# Altium PCB test.PcbDoc
Units mil, origin at the board's own origin, x right, y up, seen from the top; angles counter-clockwise.
Board outline 6250 x 3150 mil, 2 copper layers (Top Layer, Bottom Layer); 76 components, 74 nets, 285 pads, 42 vias.
Unrouted connection lines stored in the file: 2.
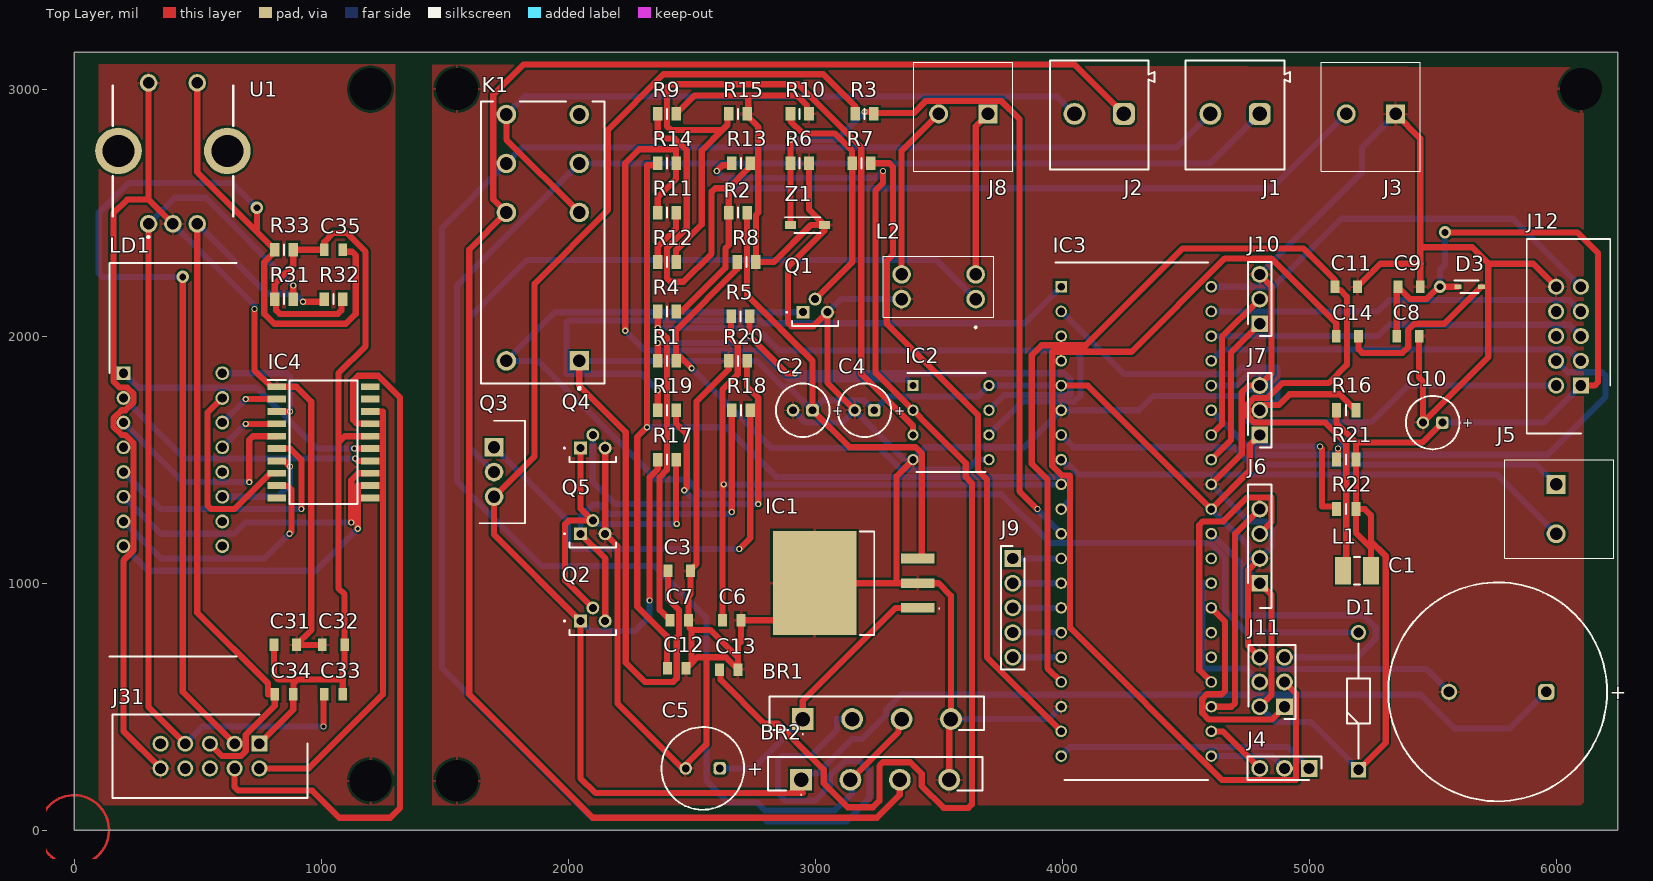
[diagram p0: Top Layer view]
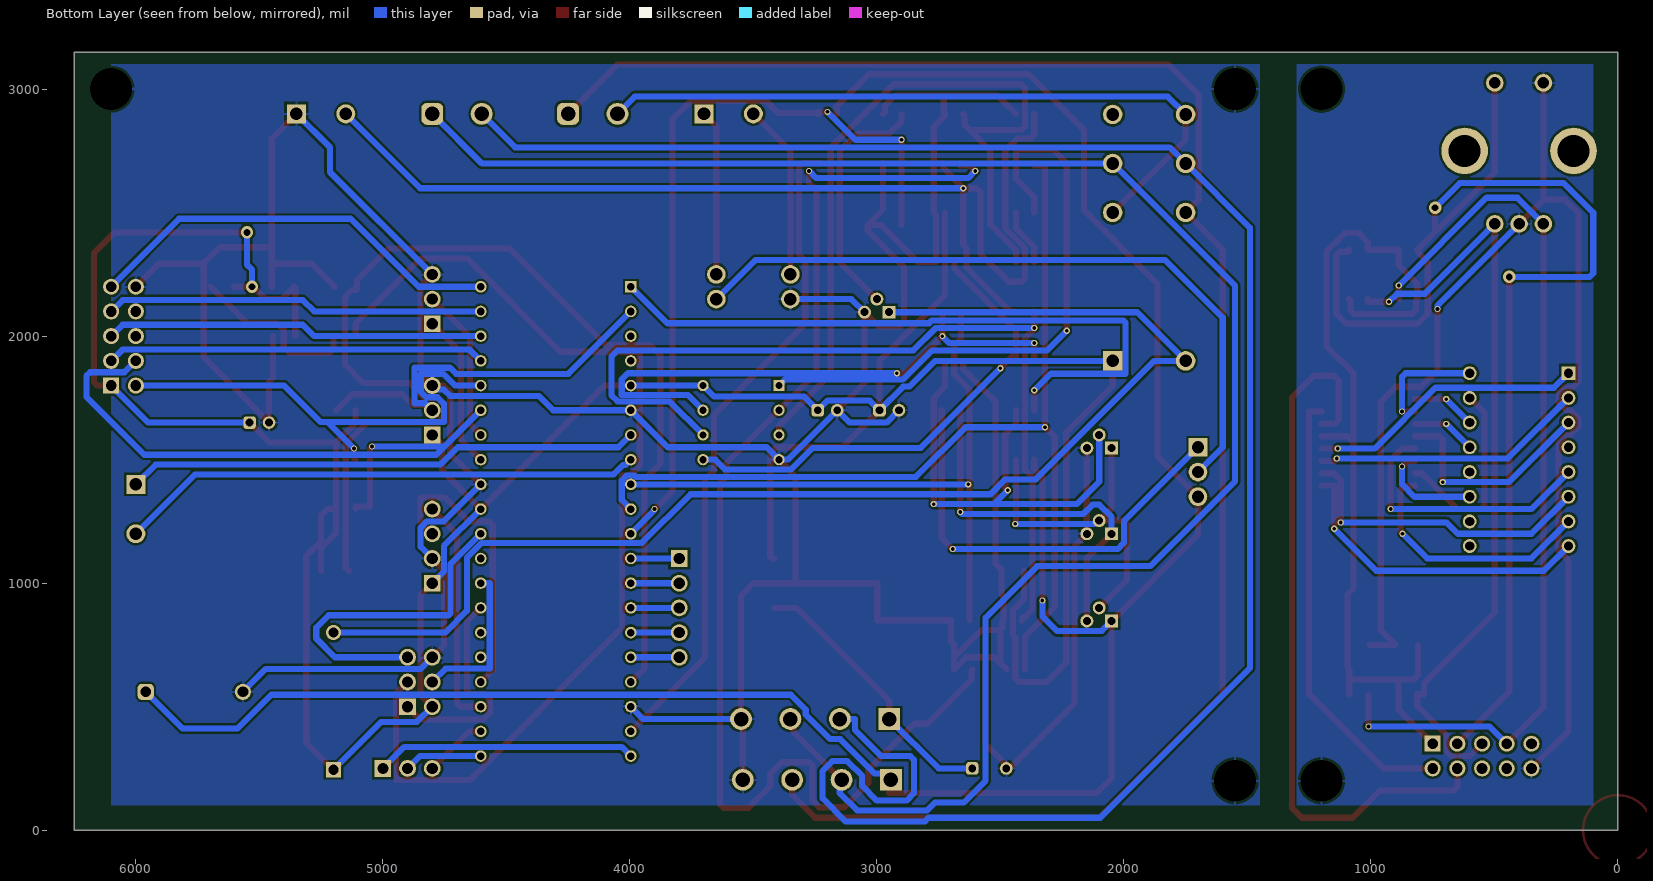
[diagram p1: Bottom Layer view, seen from below]
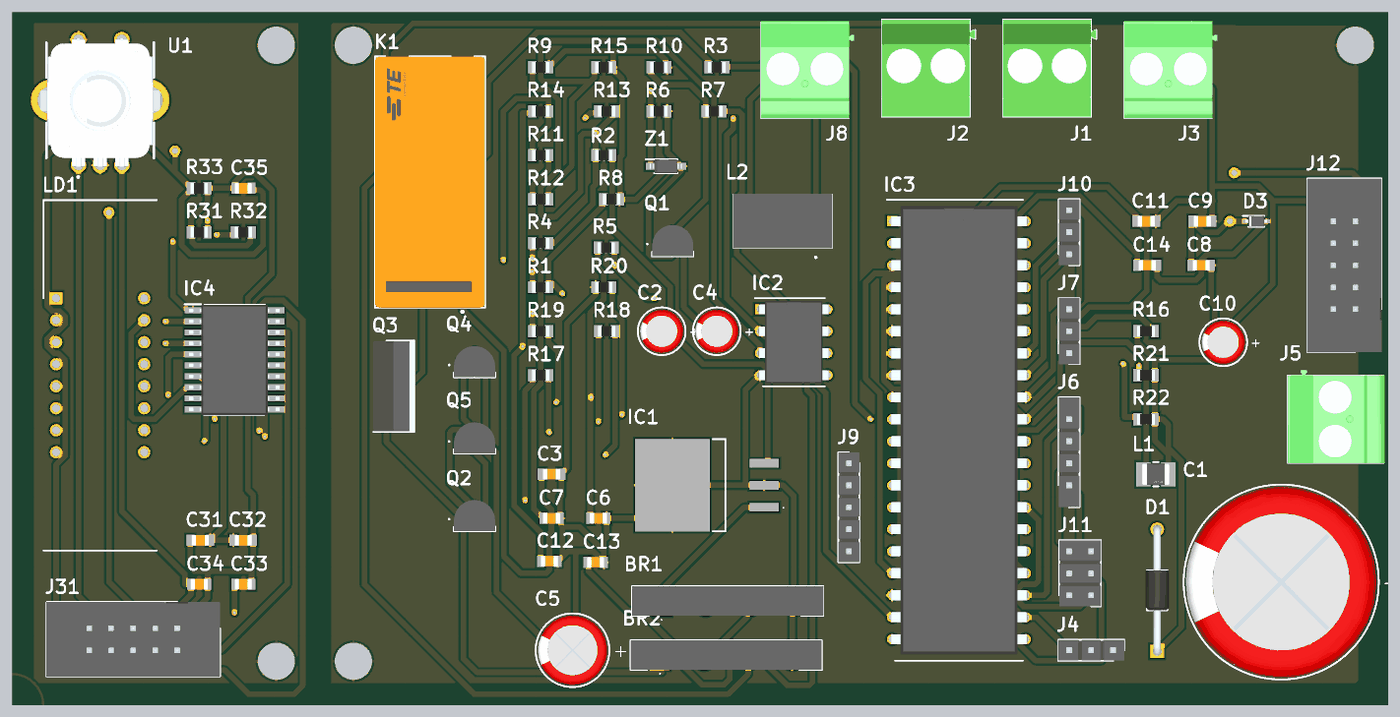
[diagram p2: 3D render of the assembled board from above, using the file's embedded part models]

## Layer stack, top to bottom
Top Solder: solder mask 0.4, Solder Resist, Dk 3.5
Top Layer: signal copper 1.4
Dielectric 1: dielectric 12.6, FR-4, Dk 4.8
Bottom Layer: signal copper 1.4
Bottom Solder: solder mask 0.4, Solder Resist, Dk 3.5

## Board outline
0,0 6250,0 6250,3150 0,3150
board region "Default Layer Stack Region": 1400,0 0,0 0,3150 1400,3150
board region "Default Layer Stack Region": 1400,3150 6250,3150 6250,0 1400,0

## Design rules (kind name [scope] priority, off if disabled: settings)
Clearance Clearance_10 [InNamedPolygon('GND_L01_P003')] p1: gap=10 ignorepadtopadclearanceinfootprint=FALSE except(0: Arc-Hole Track-Hole SMDPad-Hole THPad-Hole Via-Hole Fill-Hole Poly-Hole Region-Hole Text-Hole)
Clearance Clearance_9 [InNamedPolygon('GND_L01_P000')] p2: gap=10 ignorepadtopadclearanceinfootprint=FALSE except(0: Arc-Hole Track-Hole SMDPad-Hole THPad-Hole Via-Hole Fill-Hole Poly-Hole Region-Hole Text-Hole)
Clearance Clearance_8 [InNamedPolygon('GND_L01_P000')] p3: gap=10 ignorepadtopadclearanceinfootprint=FALSE except(0: Arc-Hole Track-Hole SMDPad-Hole THPad-Hole Via-Hole Fill-Hole Poly-Hole Region-Hole Text-Hole)
Clearance Clearance_7 [InNamedPolygon('GND_L02_P002')] p4: gap=10 ignorepadtopadclearanceinfootprint=FALSE except(0: Arc-Hole Track-Hole SMDPad-Hole THPad-Hole Via-Hole Fill-Hole Poly-Hole Region-Hole Text-Hole)
Clearance Clearance_6 [InNamedPolygon('GND_L02_P001')] p5: gap=10 ignorepadtopadclearanceinfootprint=FALSE except(0: Arc-Hole Track-Hole SMDPad-Hole THPad-Hole Via-Hole Fill-Hole Poly-Hole Region-Hole Text-Hole)
Clearance Clearance_5 [InNamedPolygon('GND_L01_P000')] p6: gap=10 ignorepadtopadclearanceinfootprint=FALSE except(0: Arc-Hole Track-Hole SMDPad-Hole THPad-Hole Via-Hole Fill-Hole Poly-Hole Region-Hole Text-Hole)
Clearance Clearance_4 [InNamedPolygon('GND_L01_P000')] p7: gap=10 ignorepadtopadclearanceinfootprint=FALSE except(0: Arc-Hole Track-Hole SMDPad-Hole THPad-Hole Via-Hole Fill-Hole Poly-Hole Region-Hole Text-Hole)
Clearance Clearance_3 [InNamedPolygon('GND_L02_P002')] p8: gap=10 ignorepadtopadclearanceinfootprint=FALSE except(0: Arc-Hole Track-Hole SMDPad-Hole THPad-Hole Via-Hole Fill-Hole Poly-Hole Region-Hole Text-Hole)
Clearance Clearance_2 [InNamedPolygon('GND_L01_P000')] p9: gap=10 ignorepadtopadclearanceinfootprint=FALSE except(0: Arc-Hole Track-Hole SMDPad-Hole THPad-Hole Via-Hole Fill-Hole Poly-Hole Region-Hole Text-Hole)
Clearance Clearance_1 [InNamedPolygon('GND_L02_P002')] p10: gap=10 ignorepadtopadclearanceinfootprint=FALSE except(0: Arc-Hole Track-Hole SMDPad-Hole THPad-Hole Via-Hole Fill-Hole Poly-Hole Region-Hole Text-Hole)
Clearance [All] p11: gap=0.25 ignorepadtopadclearanceinfootprint=FALSE except(0: Arc-Hole Track-Hole SMDPad-Hole THPad-Hole Via-Hole Fill-Hole Poly-Hole Region-Hole Text-Hole)
HoleSize [All] p1: absolutevalues=TRUE maxlimit=393.7 minlimit=0.98 maxpercent=80.000 minpercent=20.000
PolygonConnect [All] p1: connectstyle=Relief reliefconductorwidth=10 reliefentries=4 polygonreliefangle="90 Angle" airgapwidth=10
RoutingVias [All] p1: holewidth=15 width=25 viastyle="Through Hole" minholewidth=15 minwidth=25 maxholewidth=15 maxwidth=25
SolderMaskExpansion [All] p1: expansion=4 istentingtop=FALSE
Width [All] p1: maxlimit=50 minlimit=25 preferedwidth=25 minimp=50.000000 maximp=50.000000 favimp=50.000000
29 further rules are at their usual default settings.

## Classes and differential pairs
component class Voeding: BR1 BR2 C1 C4 C5 D1 IC1 J1 J2 K1 Q1 R3 R6 R7 R10 Z1
component class Processor: C8 C9 C10 C11 C14 D3 IC3 J4 J5 J6 J7 J9 J10 J11 J12 L1 R16 R21 R22
component class Opamp: C2 C3 C6 C7 C12 C13 IC2 J3 R1 R2 R4 R5 R8 R9 R11 R12 R13 R14 R15
component class Display: C31 C32 C33 C34 C35 IC4 J31 LD1 R31 R32 R33 U1
component class BoutVoeding: J8 L2 Q2 Q3 Q4 Q5 R17 R18 R19 R20

## Components (designator, comment, footprint, x,y, rotation, side; value= is the part's Value field where it differs from the comment)
BR1 "GBU6J-E3_45" "Bridge rectifier" 2950,450 r180 top
BR2 "GBU6J-E3_45" "Bridge rectifier" 2942.89,204 r180 top
C1 "ESK478M050AQ3AA" "4700µF 50V" 5763.15,560 r0 top
C2 "EEU-FR1H100" "10µF 50V" 2950,1700 r0 top
C3 "C0805C104K5RAC7411" 100nF 2450,1050 r0 top
C4 "EEU-FR1H100" "10µF 50V" 3200,1700 r0 top
C5 "EEU-FR1H100" 100µF 2545,250 r0 top
C6 "C0805C103K5TACAUTO" 10nF 2662.6,850 r0 top
C7 "C0805C103K5TACAUTO" 10nF 2450,850 r0 top
C8 "C0805C104K5RAC7411" 100nF 5400,2000 r0 top
C9 "C0805C104K5RAC7411" 100nF 5404.72,2200 r0 top
C10 "EEU-FR1H100" "10µF 50V" 5500,1650 r0 top
C11 "C0805C104K5RAC7411" 100nF 5150,2200 r0 top
C12 "C0805C103K5TACAUTO" 10nF 2440,655 r0 top
C13 "C0805C103K5TACAUTO" 10nF 2650,650 r0 top
C14 "C0805C104K5RAC7411" 100nF 5154.72,2000 r0 top
C31 "C0805C104K5RAC7411" 100nF 854.72,750 r0 top
C32 "C0805C104K5RAC7411" 100nF 1050,750 r180 top
C33 "C0805C103K5TACAUTO" 10nF 1050,550 r180 top
C34 "C0805C103K5TACAUTO" 10nF 850,550 r180 top
C35 "C0805C103K5TACAUTO" 10nF 1050,2350 r0 top
D1 "1N4007G-T" D1 5200,244.88 r90 top
D3 "1N4148WS_R1_00001" SODFL2512X95N 5650,2200 r0 top
IC1 "TL780-05CKTTR" IC1 3150,1000 r90 top
IC2 "MCP6002-E_P" DIP781W56P254L950H533Q8N 3550,1650 r0 top
IC3 "ATMEGA4809-PF" DIP1543W58P254L5175H635Q40N 4300,1250 r0 top
IC4 "TM1637" DisplayIC 1010,1570 r0 top
J1 "1711725" Phoenix 4700,2896.06 r180 top
J2 "1711725" Phoenix 4150,2896.06 r180 top
J3 "1711725" 1711725 5350,2900 r180 top
J4 "10129378-903001BLF" HDRV3W67P0X254_1X3_762X241X858P 5000,250 r180 top
J5 "1711725" 1711725 6000,1400 r270 top (schematic designator 5)
J6 "10129378-904001BLF" HDRV4W67P0X254_1X4_1270X241X858P 4800,1000 r90 top
J7 "10129378-903001BLF" HDRV3W67P0X254_1X3_762X241X858P 4800,1600 r90 top
J8 "1711725" 1711725 3700,2900 r180 top
J9 "10129378-905001BLF" HDRV5W67P0X254_1X5_1270X241X858P 3800,1100 r270 top
J10 "10129378-903001BLF" HDRV3W67P0X254_1X3_762X241X858P 4800,2050 r90 top
J11 "10129381-906002BLF" HDRV6W67P254_2X3_762X483X858P 4900,500 r90 top
J12 "N2510-6002RB" 1PinBox 6100,1800 r90 top
J31 "N2510-6002RB" SHDR10W64P254_2X5_2002X859X991P 750,350 r180 top
K1 "RT424615" FP-RT424615-MFG 1897.64,2378.35 r90 top
L1 "CBC3225T100MR" FP-CB3225-IPC_A 5193.86,1050 r0 top
L2 "CM2545X171B-10" CM2545X171B10 3650,2150 r90 top
LD1 "TDCG1050M" Display 200,1850 r0 top
Q1 "BC547CBU" TTTT 2950,2096.85 r0 top
Q2 "BC547CBU" TTTT 2050,846.85 r0 top
Q3 "IRF9Z34NPBF" T2 1700,1550 r270 top
Q4 "BC547CBU" TTTT 2050,1546.85 r0 top
Q5 "BC557BTA" TTTT 2050,1200 r0 top
R1 "CRCW080510K0DHEAP" Resistor 2400,1900 r0 top
R2 "CR0805-JW-105ELF" Resistor 2687.4,2500 r0 top
R3 "CRCW080510K0DHEAP" Resistor 3200,2900 r0 top
R4 "CRCW08055K60FKTA" Resistor 2400,2100 r0 top
R5 "CRCW08055K60FKTA" Resistor 2697.4,2080 r0 top
R6 "CRCW080510K0DHEAP" Resistor 2937.4,2700 r0 top
R7 "CRCW080510K0DHEAP" Resistor 3187.4,2700 r0 top
R8 "CPF0805B18KE" Resistor 2722.6,2300 r0 top
R9 "CR0805-JW-105ELF" Resistor 2400,2900 r0 top
R10 "CRCW08054K70FKEAHP" Resistor 2937.4,2900 r0 top
R11 "CRCW080510K0DHEAP" Resistor 2400,2500 r0 top
R12 "CRCW080510K0DHEAP" Resistor 2400,2300 r0 top
R13 "CRCW08055K60FKTA" Resistor 2700,2700 r0 top
R14 "CRCW08055K60FKTA" Resistor 2400,2700 r0 top
R15 "CPF0805B18KE" Resistor 2687.4,2900 r0 top
R16 "CRCW08054K70FKEAHP" RESC2012X50N 5150,1700 r0 top
R17 "CRCW08054K70FKEAHP" Resistor 2400,1500 r0 top
R18 "CPF0805B18KE" Resistor 2700,1700 r0 top
R19 "CRCW080510K0DHEAP" Resistor 2400,1700 r0 top
R20 "CRCW08054K70FKEAHP" Resistor 2687.4,1900 r180 top
R21 "CRCW08054K70FKEAHP" RESC2012X50N 5150,1500 r0 top
R22 "CRCW08054K70FKEAHP" RESC2012X50N 5150,1300 r0 top
R31 "CRCW080510K0DHEAP" Resistor 850,2150 r0 top
R32 "CRCW080510K0DHEAP" Resistor 1050,2150 r180 top
R33 "CRCW080510K0DHEAP" Resistor 850,2350 r180 top
U1 "PEC11R-4225F-S0024" PEC12R-4XXXF-SXXXX_1 400,2750 r0 top
Z1 "SZMMSZ5231BT1G" Zener 2968.9,2450 r0 top

## Footprints (in the part's own frame and the unit in brackets; to place one, negate y for a bottom-side part, rotate by r counter-clockwise, add the part's x,y. Pads: shape width x height; smd on the part's side, far side on the other; paste and mask are expansions set on the pad)
1PinBox [mm]
  rect 1.65x1.65 hole 1.1: 1(0,0)
  round 1.65 hole 1.1: 2(0,2.54) 3(2.54,0) 4(2.54,2.54) 5(5.08,0) 6(5.08,2.54) 7(7.62,0) 8(7.62,2.54) 9(10.16,0) 10(10.16,2.54)
  silkscreen extent -4.93,-3.02 15.09,5.56, body extent -4.93,-3.03 15.09,5.57, height 9.91
10nF [mm] "Ceramic Capacitors, body 2x1.25mm"
  rect 0.9x1.3 smd: 1(-0.95,0) 2(0.95,0)
  body extent -1,-0.62 1,0.63, height 0.8
"10µF 50V" [mm] "Aluminum Electrolytic Capacitors, 5x11mm"
  rrect50% 1.3x1.3 hole 0.8: 1(1,0)
  round 1.3 hole 0.8: 2(-1,0)
  silkscreen extent -2.75,-2.75 2.75,2.75, body extent -2.49,-2.5 2.5,2.5, height 11.31
100nF [mm] "Ceramic Capacitors, body 2x1.25mm"
  rect 0.9x1.3 smd: 1(-1.15,0) 2(1.15,0)
  body extent -1,-0.63 1,0.63, height 0.8
100µF [mm] "Aluminum Electrolytic Capacitors, 8x11.5mm"
  rrect50% 1.3x1.3 hole 0.8: 1(1.75,0)
  round 1.3 hole 0.8: 2(-1.75,0)
  silkscreen extent -4.25,-4.25 4.25,4.25, body extent -3.99,-4 4,4, height 11.81
"4700µF 50V" [mm] "Aluminum Electrolytic Capacitors, 22x41mm"
  rrect50% 1.65x1.65 hole 1.1: 1(5,0)
  round 1.65 hole 1.1: 2(-5,0)
  silkscreen extent -11.25,-11.25 11.25,11.25, body extent -10.99,-11 11,11, height 41.31
1711725 [mm]
  rect 1.95x1.95 hole 1.3: 1(0,0)
  round 1.95 hole 1.3: 2(5.08,0)
  silkscreen extent -2.54,-5.3 7.62,5.9, body extent -3.12,-5.3 7.61,5.9, height 18.41
"Bridge rectifier" [mm]
  rect 2.235x2.235 hole 1.49: 1(0,0)
  round 2.235 hole 1.49: 2(-5.08,0) 3(-10.16,0) 4(-15.24,0)
  silkscreen extent -18.65,-2.32 3.41,1.6, body extent -18.65,-2.32 3.4,1.11, height 18.9
CM2545X171B10 [mil]
  round 75 hole 50: 1(0,0) 2(100,0) 3(100,300) 4(0,300)
  silkscreen extent -118,-74 174,374, body extent -74,-74 174,374, height 378
D1 [mm]
  rect 1.575x1.575 hole 1.05: 1(0,0)
  round 1.575 hole 1.05: 2(14.1,0)
  silkscreen extent 1.14,-1.18 12.96,1.18, body extent -0.43,-1.36 14.51,1.36, height 2.71
DIP781W56P254L950H533Q8N [mm]
  rect 1.158x1.158 hole 0.758: 1(-3.905,3.81)
  round 1.158 hole 0.758: 2(-3.905,1.27) 3(-3.905,-1.27) 4(-3.905,-3.81) 5(3.905,-3.81) 6(3.905,-1.27) 7(3.905,1.27) 8(3.905,3.81)
  silkscreen extent -4.48,-5.08 3.56,5.08, body extent -4.04,-4.75 4.04,4.75, height 5.33
DIP1543W58P254L5175H635Q40N [mm]
  rect 1.184x1.184 hole 0.784: 1(-7.715,24.13)
  round 1.184 hole 0.784: 2(-7.715,21.59) 3(-7.715,19.05) 4(-7.715,16.51) 5(-7.715,13.97) 6(-7.715,11.43) 7(-7.715,8.89) 8(-7.715,6.35) 9(-7.715,3.81) 10(-7.715,1.27) 11(-7.715,-1.27) 12(-7.715,-3.81) 13(-7.715,-6.35) 14(-7.715,-8.89) 15(-7.715,-11.43) 16(-7.715,-13.97) 17(-7.715,-16.51) 18(-7.715,-19.05) 19(-7.715,-21.59) 20(-7.715,-24.13) 21(7.715,-24.13) 22(7.715,-21.59) 23(7.715,-19.05) 24(7.715,-16.51) 25(7.715,-13.97) 26(7.715,-11.43) 27(7.715,-8.89) 28(7.715,-6.35) 29(7.715,-3.81) 30(7.715,-1.27) 31(7.715,1.27) 32(7.715,3.81) 33(7.715,6.35) 34(7.715,8.89) 35(7.715,11.43) 36(7.715,13.97) 37(7.715,16.51) 38(7.715,19.05) 39(7.715,21.59) 40(7.715,24.13)
  silkscreen extent -8.31,-26.61 7.37,26.61, body extent -7.86,-25.88 7.86,25.88, height 6.35
Display [mm]
  rect 1.425x1.425 hole 0.95: 1(0,0)
  round 1.425 hole 0.95: 2(0,-2.54) 3(0,-5.08) 4(0,-7.62) 5(0,-10.16) 6(0,-12.7) 7(0,-15.24) 8(0,-17.78) 9(10.16,-17.78) 10(10.16,-15.24) 11(10.16,-12.7) 12(10.16,-10.16) 13(10.16,-7.62) 14(10.16,-5.08) 15(10.16,-2.54) 16(10.16,0)
  silkscreen extent -1.45,-29.12 11.61,11.34
DisplayIC [mm]
  rect 1.9x0.7 smd: 1(-4.8,5.715) 2(-4.8,4.445) 3(-4.8,3.175) 4(-4.8,1.905) 5(-4.8,0.635) 6(-4.8,-0.635) 7(-4.8,-1.905) 8(-4.8,-3.175) 9(-4.8,-4.445) 10(-4.8,-5.715) 11(4.8,-5.715) 12(4.8,-4.445) 13(4.8,-3.175) 14(4.8,-1.905) 15(4.8,-0.635) 16(4.8,0.635) 17(4.8,1.905) 18(4.8,3.175) 19(4.8,4.445) 20(4.8,5.715)
  silkscreen extent -5.75,-6.35 3.5,6.42, body extent -5.23,-6.35 5.23,6.35, height 2.8
FP-CB3225-IPC_A [mil]
  rect 65.14x110.48 smd paste+0 mask+0: 1(-56.14,0) 2(56.14,0)
  silkscreen extent -12,-55 12,55, body extent -108,-75 108,75, height 10
FP-RT424615-MFG [mm]
  round 2 hole 1.3 paste-1000 mask+0: 11(8.15,-3.75) 12(3.11,-3.75) 14(13.19,-3.75) 21(8.15,3.75) 22(3.11,3.75) 24(13.19,3.75) A2(-12.15,3.75)
  rect 2x2 hole 1.3 paste-1000 mask+0: A1(-12.15,-3.75)
  silkscreen extent -15.1,-6.35 14.5,6.35, body extent -14.6,-6.45 14.6,6.45, height 0.25
HDRV3W67P0X254_1X3_762X241X858P [mm]
  rect 1.725x1.725 hole 1.15: 1(0,0)
  round 1.725 hole 1.15: 2(2.54,0) 3(5.08,0)
  silkscreen extent -1.27,-1.2 6.35,1.2, body extent -1.27,-1.2 6.35,1.2, height 8.58
HDRV4W67P0X254_1X4_1270X241X858P [mm]
  rect 1.725x1.725 hole 1.15: 1(0,0)
  round 1.725 hole 1.15: 2(2.54,0) 3(5.08,0) 4(7.62,0)
  silkscreen extent -2.54,-1.2 10.16,1.2, body extent -2.54,-1.2 10.16,1.2, height 8.58
HDRV5W67P0X254_1X5_1270X241X858P [mm]
  rect 1.725x1.725 hole 1.15: 1(0,0)
  round 1.725 hole 1.15: 2(2.54,0) 3(5.08,0) 4(7.62,0) 5(10.16,0)
  silkscreen extent -1.27,-1.2 11.43,1.2, body extent -1.27,-1.2 11.43,1.2, height 8.58
HDRV6W67P254_2X3_762X483X858P [mm]
  rect 1.725x1.725 hole 1.15: 1(0,0)
  round 1.725 hole 1.15: 2(0,2.54) 3(2.54,0) 4(2.54,2.54) 5(5.08,0) 6(5.08,2.54)
  silkscreen extent -1.27,-1.14 6.35,3.68, body extent -1.27,-1.14 6.35,3.68, height 8.58
IC1 [mm]
  rect 1x3.4 smd: 1(-2.54,-6.745) 2(0,-6.745) 3(2.54,-6.745)
  rect 10.7x8.6 smd: 4(0,3.855)
  silkscreen extent -5.33,-9 5.33,-0.8
PEC12R-4XXXF-SXXXX_1 [mm]
  round 1.8 hole 1.2: 1(-2.5,-7.5) 2(2.5,-7.5) 3(0,-7.5) 4(-2.5,7) 5(2.5,7)
  round 4.8 hole 3.28: 6(5.6,0) 7(-5.6,0)
  silkscreen extent -6.2,-8.95 6.2,6.7, body extent -7,-7.75 6.99,7.15, height 31.51
Phoenix [mm] "Serie 2535 - 5.08 mm _ 2 pins"
  rrect50% 2.25x2.25 hole 1.5: 1(-2.54,-0.1)
  round 2.25 hole 1.5: 2(2.54,-0.1)
  silkscreen extent -5.67,-5.6 5.08,5.6, body extent -5.67,-5.6 5.09,5.6, height 18.1
RESC2012X50N [mm]
  rect 0.95x1.45 smd: 1(-1,0) 2(1,0)
  silkscreen extent 0,-0.53 0,0.53, body extent -1.02,-0.63 1.02,0.63, height 0.5
Resistor [mm]
  rect 1x1.4 smd: 1(-0.95,0) 2(0.95,0)
  silkscreen extent 0,-0.53 0,0.53, body extent -1,-0.63 1,0.63, height 0.6
SHDR10W64P254_2X5_2002X859X991P [mm]
  rect 1.65x1.65 hole 1.1: 1(0,0)
  round 1.65 hole 1.1: 2(0,2.54) 3(2.54,0) 4(2.54,2.54) 5(5.08,0) 6(5.08,2.54) 7(7.62,0) 8(7.62,2.54) 9(10.16,0) 10(10.16,2.54)
  silkscreen extent -4.93,-3.02 15.09,5.56, body extent -4.93,-3.03 15.09,5.57, height 9.91
SODFL2512X95N [mm]
  rect 0.72x0.42 smd: 1(-1.2,0) 2(1.2,0)
  silkscreen extent -1.56,-0.62 0.93,0.62, body extent -1.25,-0.63 1.25,0.63, height 0.95
T2 [mm]
  rect 1.92x1.92 hole 1.28: 1(0,0)
  round 1.92 hole 1.28: 2(2.54,0) 3(5.08,0)
  silkscreen extent -2.73,-1.49 7.81,3.2, body extent -2.67,-1.5 7.75,3.19, height 18.84
TTTT [mm]
  rect 1.333x1.333 hole 0.82: 1(0,0)
  round 1.333 hole 0.82: 2(1.27,1.35) 3(2.54,0)
  silkscreen extent -1.7,-1.43 3.65,0.05, body extent -1.11,-1.43 3.65,2.19, height 5.43
Zener [mm]
  rect 1.15x0.8 smd: 1(-1.75,0) 2(1.75,0)
  silkscreen extent -2.33,-0.8 1.34,0.8, body extent -1.86,-0.8 1.86,0.8, height 1.35
